# Altium PCB LG_TRACKER_PCB.PcbDoc (part 1 of 3) (continued)
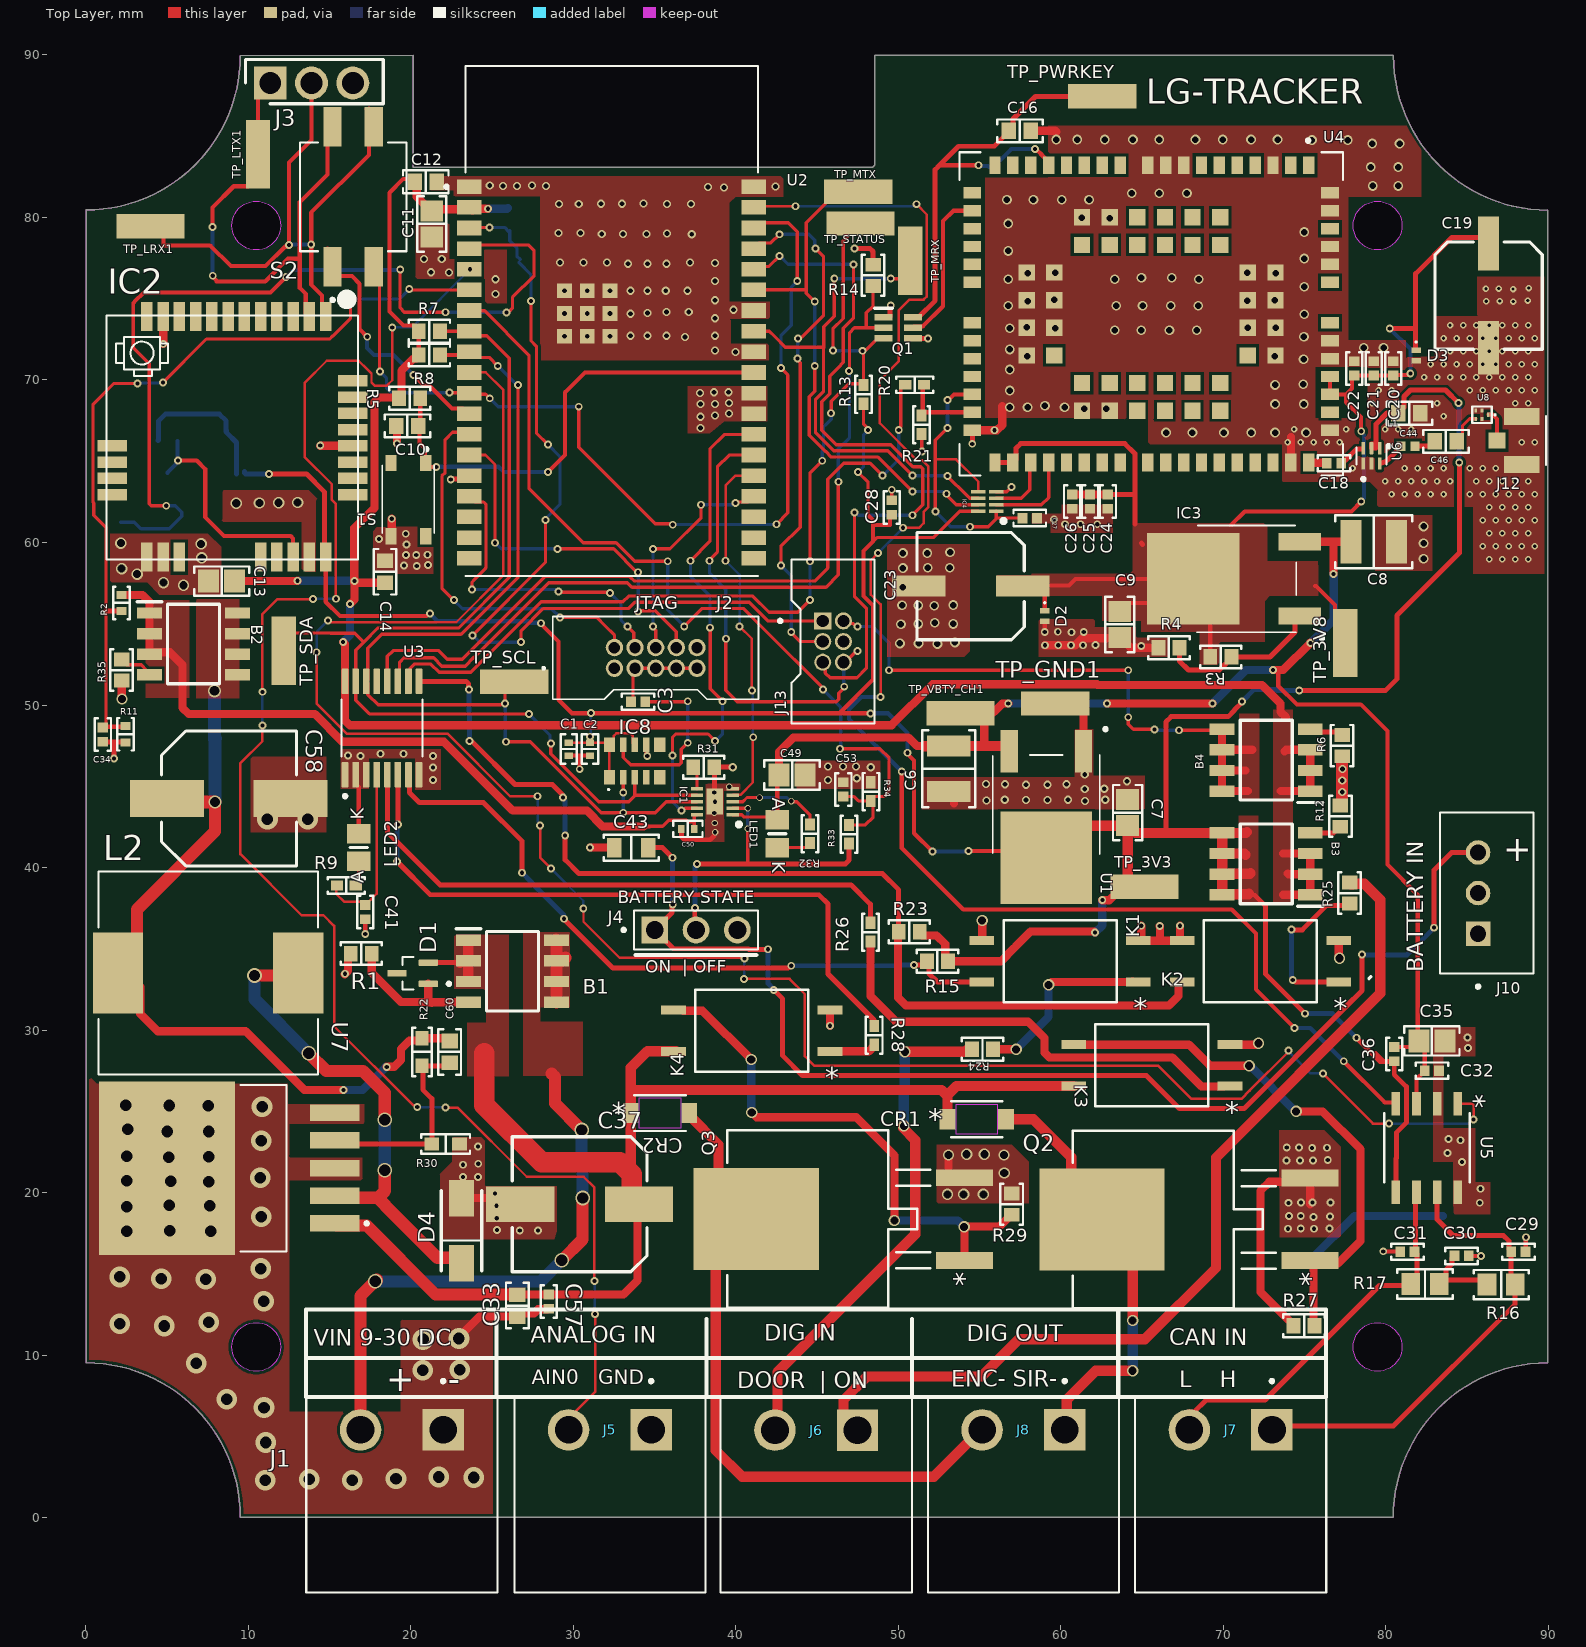
[diagram p0: Top Layer view]
## Components (designator, comment, footprint, x,y, rotation, side; value= is the part's Value field where it differs from the comment) (continued)
R13 "100 kOhms" "RES 0402_1005" 47.872,69.112 r270 top
R14 "10 kOhms" "RES 0603_1608" 48.455,76.44 r90 top
R15 "10 kOhms" "RES 0603_1608" 52.419,34.229 r0 top
R16 "63.4 Ohms" "RES 0805_2012" 87.106,14.337 r0 top
R17 "63.4 Ohms" "RES 0805_2012" 82.418,14.374 r0 top
R18 "10 kOhms" "RES 0603_1608" 5.008,66.255 r0 bottom
R19 "10 kOhms" "RES 0603_1608" 2.176,60.603 r270 bottom
R20 "100 kOhms" "RES 0402_1005" 51.013,69.706 r180 top
R21 "120 kOhms" "RES 0402_1005" 51.433,67.243 r90 top
R22 "4.7 kOhms" "YAGEO RES 0603_1608" 20.703,28.652 r90 top
R23 "10 kOhms" "RES 0603_1608" 50.682,36.045 r0 top
R24 "6.8 kOhms" "RES 0603_1608" 55.191,28.814 r0 top
R25 "6.8 kOhms" "RES 0603_1608" 77.778,38.43 r270 top
R26 "1 kOhms" "RES 0402_1005" 48.291,36.025 r270 top
R27 "10 kOhms" "RES 0603_1608" 74.978,11.801 r0 top
R28 "1 kOhms" "RES 0402_1005" 48.527,29.674 r270 top
R29 "10 kOhms" "RES 0603_1608" 56.984,19.284 r270 top
R30 "1.2 kOhms" "YAGEO RES 0603_1608" 22.156,22.975 r180 top
R31 "10 kOhms" "RES 0603_1608" 38.037,46.174 r180 top
R32 "2.2 kOhms" "RES 0402_1005" 44.571,42.08 r270 top
R33 "100 kOhms" "RES 0402_1005" 46.979,42.046 r90 top
R34 "100 kOhms" "RES 0402_1005" 48.317,44.672 r90 top
R35 "100 kOhms" "RES 0603_1608" 2.216,52.152 r270 top
S1 "PTS815_SJK_250_SMTR_LFS" PTS815SJK250SMTRLFS 19.866,62.642 r270 top
S2 "219-2MSTR" SW_219-2MSTR 16.466,81.273 r90 top
TP_3V3 "RCWCTE" RCWCTE 65.161,38.809 r180 top
TP_3V8 "RCWCTE" RCWCTE 77.519,53.82 r90 top
TP_GND1 "RCWCTE" RCWCTE 59.66,50.091 r180 top
TP_LRX1 "RCWCTE" RCWCTE 3.996,79.469 r180 top
TP_LTX1 "RCWCTE" RCWCTE 10.607,83.894 r90 top
TP_MRX "RCWCTE" RCWCTE 50.754,77.337 r270 top
TP_MTX "RCWCTE" RCWCTE 47.538,81.578 r180 top
TP_PWRKEY "RCWCTE" RCWCTE 62.563,87.447 r180 top
TP_SCL "RCWCTE" RCWCTE 26.372,51.434 r0 top
TP_SDA "RCWCTE" RCWCTE 12.202,53.346 r270 top
TP_STATUS "RCWCTE" RCWCTE 47.683,79.631 r180 top
TP_VBTY_CH1 "RCWCTE" RCWCTE 53.835,49.491 r180 top
U1 "AZ1084CD-3.3TRG1" TO252-3 59.119,43.877 r180 top
U2 "ESP32-WROVER-E-N16R8" ESP32-WROVER-E-N16R8 32.367,73.633 r0 top
U3 "TCA9534PWR" 16-TSSOP 18.243,48.584 r90 top
U4 "BG95M3LA-64-SGNS" BG95M3LA-64-SGNS 65.563,74.062 r270 top
U5 "TJA1051T/3/1J" SO8_SOT96-1_NXP 82.529,22.75 r270 top
U6 "MAX2659ELTT" SON50P150X100X80-6N 79.127,65.331 r90 top
U7 "LM2596DSADJG" CONV_LM2596DSADJG 8.837,21.503 r180 top
U8 "B39162B8813P810" FIL_B39162B9417K610 85.925,67.86 r180 top

## Footprints (in the part's own frame and the unit in brackets; to place one, negate y for a bottom-side part, rotate by r counter-clockwise, add the part's x,y. Pads: shape width x height; smd on the part's side, far side on the other; paste and mask are expansions set on the pad)
8-X2SON [mm] "TXS0102DQMR"
  rect 0.9x0.2 smd: 1(-0.55,0.6) 2(-0.55,0.2) 3(-0.55,-0.2) 4(-0.55,-0.6) 5(0.55,-0.6) 6(0.55,-0.2) 7(0.55,0.2) 8(0.55,0.6)
  silkscreen extent -1.13,1.08 -0.88,1.32, body extent -0.6,-0.9 0.6,0.9, height 0.5
16-TSSOP [mm] "TCA9534PWR"
  rrect25% 1.57x0.41 smd: 1(-2.87,2.275) 2(-2.87,1.625) 3(-2.87,0.975) 4(-2.87,0.325) 5(-2.87,-0.325) 6(-2.87,-0.975) 7(-2.87,-1.625) 8(-2.87,-2.275) 9(2.87,-2.275) 10(2.87,-1.625) 11(2.87,-0.975) 12(2.87,-0.325) 13(2.87,0.325) 14(2.87,0.975) 15(2.87,1.625) 16(2.87,2.275)
  silkscreen extent -4.29,-2.5 1.77,2.5
"0805 SMD - LED" [mm]
  rect 1.2x1.45 smd: A(-0.85,0) K(0.85,0)
  silkscreen extent 0,-0.53 0,0.53, body extent -1,-0.63 1,0.63, height 1.45
322010010000 [mm] "Connector Header Through Hole 10 position Shrouded 4 wall 0.050\" (1.27mm)"
  round 1.07 hole 0.7: 1(0,0) 2(0,1.27) 3(1.27,0) 4(1.27,1.27) 5(2.54,0) 6(2.54,1.27) 7(3.81,0) 8(3.81,1.27) 9(5.08,0) 10(5.08,1.27)
  silkscreen extent -4.4,-1.91 8.86,3.18, body extent -3.87,-1.99 8.95,3.25, height 5.63
AMPHENOL_68001-203HLF [mm]
  rect 1.65x1.65 / inner round 1.65 / far side rect 1.65x1.65 hole 1.1: 01(-2.54,0)
  round 1.65 hole 1.1: 02(0,0) 03(2.54,0)
  silkscreen extent -4.56,-1.2 3.81,1.2, body extent -3.81,-1.2 3.81,1.2, height 8.38
AMPHENOL_20021511-00006T4LF [mm]
  rect 1.05x1.05 / inner round 1.05 / far side rect 1.05x1.05 hole 0.75: 1(-1.27,-0.635)
  round 1.05 hole 0.75: 2(-1.27,0.635) 3(0,-0.635) 4(0,0.635) 5(1.27,-0.635) 6(1.27,0.635)
  silkscreen extent -5.05,-3.35 5.05,2.55, body extent -5.05,-2.55 5.05,2.55, height 5.4
APC-817xx-SL_AMB [mil]
  rect 60x22 smd paste+0 mask+0: 1(-189.5,50) 2(-189.5,-50) 3(189.5,-50) 4(189.5,50)
  silkscreen extent -137,-99 137,99, body extent -206,-94 206,94, height 150
BG95M3LA-64-SGNS [mm] "Modem"
  rect 1.1x0.7 smd paste-2: 1(-9.15,9.7) 2(-9.15,8.6) 3(-9.15,7.5) 4(-9.15,6.4) 5(-9.15,5.3) 6(-9.15,4.2) 7(-9.15,3.1) 8(-9.15,2) 9(-9.15,0.9) 10(-9.15,-0.2) 11(-9.15,-1.9) 12(-9.15,-3) 13(-9.15,-4.1) 14(-9.15,-5.2) 15(-9.15,-6.3) 16(-9.15,-7.4) 17(-9.15,-8.5) 18(-9.15,-9.6) 32(9.15,-9.6) 33(9.15,-8.5) 34(9.15,-7.4) 35(9.15,-6.3) 36(9.15,-5.2) 37(9.15,-4.1) 38(9.15,-3) 39(9.15,-1.9) 40(9.15,-0.2) 41(9.15,0.9) 42(9.15,2) 43(9.15,3.1) 44(9.15,4.2) 45(9.15,5.3) 46(9.15,6.4) 47(9.15,7.5) 48(9.15,8.6) 49(9.15,9.7)
  rect 0.7x1.1 smd paste-2: 19(-7.45,-11) 20(-6.35,-11) 21(-5.25,-11) 22(-4.15,-11) 23(-3.05,-11) 24(-1.95,-11) 25(0.55,-11) 26(1.65,-11) 27(2.75,-11) 28(3.85,-11) 29(4.95,-11) 30(6.05,-11) 31(7.15,-11) 50(7.15,11) 51(6.05,11) 52(4.95,11) 53(3.85,11) 54(2.75,11) 55(1.65,11) 56(0.55,11) 57(-1.95,11) 58(-3.05,11) 59(-4.15,11) 60(-5.25,11) 61(-6.35,11) 62(-7.45,11)
  rect 1x1 smd paste-1: 63(-5.95,4.25) 64(-5.95,2.55) 65(-5.95,0.85) 66(-5.95,-0.85) 67(-5.95,-2.55) 68(-5.95,-4.25) 69(-2.55,-7.65) 70(-0.85,-7.65) 71(0.85,-7.65) 72(2.55,-7.65) 73(5.95,-4.25) 74(5.95,-2.55) 75(5.95,-0.85) 76(5.95,0.85) 77(5.95,2.55) 78(5.95,4.25) 79(2.55,7.65) 80(0.85,7.65) 81(-0.85,7.65) 82(-2.55,7.65) 83(-4.25,4.25) 84(-4.25,2.55) 85(-4.25,0.85) 86(-4.25,-0.85) 87(-4.25,-2.55) 88(-4.25,-4.25) 89(-2.55,-5.95) 90(-0.85,-5.95) 91(0.85,-5.95) 92(2.55,-5.95) 93(4.25,-4.25) 94(4.25,-2.55) 95(4.25,-0.85) 96(4.25,0.85) 97(4.25,2.55) 98(4.25,4.25) 99(2.55,5.95) 100(0.85,5.95) 101(-0.85,5.95) 102(-2.55,5.95)
  silkscreen extent -10.77,-11.8 9.95,11.8, body extent -8,-9.35 8,9.35
"CAP 0402_1005" [mm] "Chip Capacitor, 2-Leads, Body 1.02x0.51mm, IPC Medium Density"
  rect 0.6x0.64 smd: 1(-0.44,0) 2(0.44,0)
  silkscreen extent -1,-0.5 1,0.5, body extent -0.5,-0.26 0.5,0.26, height 0.52
"CAP 0603_1608" [mm] "Chip Capacitor, 2-Leads, Body 1.60x0.80mm, IPC Medium Density"
  rect 0.9x1 smd: 1(-0.675,0) 2(0.675,0)
  silkscreen extent -1.4,-0.7 1.4,0.7, body extent -0.8,-0.41 0.8,0.41, height 0.82
"CAP 0805_2012" [mm] "Chip Capacitor, 2-Leads, Body 2.00x1.20mm, IPC Medium Density"
  rect 1.3x1.4 smd: 1(-0.8,0) 2(0.8,0)
  silkscreen extent -1.7,-0.9 1.7,0.9, body extent -1,-0.64 1,0.64, height 1.26
"CAP 1210_3225 - 1MM" [mm] "Chip Capacitor, 2-Leads, Body 3.20x2.50mm, IPC Medium Density"
  rect 1.3x2.7 smd: 1(-1.4,0) 2(1.4,0)
  silkscreen extent -2.37,-1.63 2.37,1.63, body extent -1.6,-1.25 1.6,1.25, height 1
"CAP ALSMD 8.3MM H10.5MM" [mm] "Aluminum Electrolytic Capacitor, Body 8.30x8.30x10.50mm, IPC Low Density"
  rect 4.55x2.3 smd: 1(-3.8,0) 2(3.8,0)
  silkscreen extent -4.15,-4.15 4.15,4.15, body extent -4.95,-4.15 4.95,4.15, height 10.5
"CAP ALSMD ELEC 6.6MM H5.4MM" [mm] "Aluminum SMD Electrolytic Capacitor, 6.60mm Land Size, 6.30mm Diameter, 5.40mm Height, 8.00mm Maximum Leads Span"
  rect 3.3x1.3 smd: 1(-3.2,0) 2(3.2,0)
  silkscreen extent -3.3,-3.3 3.3,3.3, body extent -4,-3.3 4,3.3, height 5.4
"CAP ALSMD POLY 8.3MM H10.5MM" [mm] "Aluminum Electrolytic Capacitor, Body 8.30x8.30x10.5mm"
  rect 4.2x2.2 smd: 1(-3.65,0) 2(3.65,0)
  silkscreen extent -4.15,-4.15 4.15,4.15, body extent -4.5,-4.15 4.5,4.15, height 10.5
CONV_LM2596DSADJG [mm]
  rect 3.05x1.016 smd: 1(-6.485,3.404) 2(-6.485,1.702) 3(-6.485,0) 4(-6.485,-1.702) 5(-6.485,-3.404)
  rect 8.38x10.66 smd paste-6: 6(3.82,0)
  silkscreen extent -8.56,-5.12 -0.69,5.12, body extent -7.1,-5.07 7.1,5.07, height 4.57
CR_SOD-123FL_SME [mil]
  rect 38x49 smd paste+0 mask+0: 1(-71,0) 2(71,0)
  Keep-Out Layer region: -50,-36.5 -50,36.5 50,36.5 50,-36.5
  silkscreen extent -62,-44 62,44, body extent -76,-39 76,39, height 55
CUI_TBP01R1-508-02BE [mm]
  rect 2.55x2.55 / inner round 2.55 / far side rect 2.55x2.55 hole 1.7: 1(0,0)
  round 2.55 hole 1.7: 2(5.08,0)
  silkscreen extent -3.34,-3.1 8.42,10, body extent -3.3,-2.06 8.46,9.94, height 8.5
DIOM5025X220N [mm]
  rect 2.25x1.55 smd: 1(-2,0) 2(2,0)
  silkscreen extent -2.47,-1.25 2.47,1.25, body extent -2.47,-1.25 2.47,1.25, height 2.2
ESP32-WROVER-E-N16R8 [mm]
  rect 1.5x0.9 smd: 1(-8.75,8.26) 2(-8.75,6.99) 3(-8.75,5.72) 4(-8.75,4.45) 5(-8.75,3.18) 6(-8.75,1.91) 7(-8.75,0.64) 8(-8.75,-0.63) 9(-8.75,-1.9) 10(-8.75,-3.17) 11(-8.75,-4.44) 12(-8.75,-5.71) 13(-8.75,-6.98) 14(-8.75,-8.25) 15(-8.75,-9.52) 16(-8.75,-10.79) 17(-8.75,-12.06) 18(-8.75,-13.33) 19(-8.75,-14.6) 20(8.75,-14.6) 21(8.75,-13.33) 22(8.75,-12.06) 23(8.75,-10.79) 24(8.75,-9.52) 25(8.75,-8.25) 26(8.75,-6.98) 27(8.75,-5.71) 28(8.75,-4.44) 29(8.75,-3.17) 30(8.75,-1.9) 31(8.75,-0.63) 32(8.75,0.64) 33(8.75,1.91) 34(8.75,3.18) 35(8.75,4.45) 36(8.75,5.72) 37(8.75,6.99) 38(8.75,8.26)
  rect 0.9x0.9 smd: 39_1(-2.9,1.86) 39_2(-1.5,1.86) 39_3(-0.1,1.86) 39_4(-2.9,0.46) 39_5(-1.5,0.46) 39_6(-0.1,0.46) 39_7(-2.9,-0.94) 39_8(-1.5,-0.94) 39_9(-0.1,-0.94)
  silkscreen extent -10.26,-15.7 9,15.7
FIL_B39162B9417K610 [mm]
  rect 0.18x0.25 smd: 1(-0.385,0) 2(0,-0.25) 3(0.385,-0.25) 4(0.385,0.25) 5(0,0.25)
  silkscreen extent -0.85,-0.5 0.6,0.5
IND_SRP1265A-470M [mm]
  rect 3.1x5 smd: 1(-5.55,0) 2(5.55,0)
  silkscreen extent -6.75,-6.25 6.75,6.25, body extent -6.75,-6.25 6.75,6.25, height 6.5
INDC1005X55N [mm]
  rect 0.54x0.6 smd: 1(-0.432,0) 2(0.432,0)
  silkscreen extent 1.1,-0.1 1.3,0.1
JST_B3B-XH-A [mm]
  rect 1.508x1.508 / inner round 1.508 / far side rect 1.508x1.508 hole 1: 1(2.5,-0.525)
  round 1.508 hole 1: 2(0,-0.525) 3(-2.5,-0.525)
  silkscreen extent -4.95,-2.88 5.85,2.88, body extent -4.95,-2.88 4.95,2.88, height 7
"MURATA GRM155 0402_1005" [mm] "Chip Capacitor, 2-Leads, Body 1.0x0.50mm"
  rect 0.4x0.5 smd: 1(-0.4,0) 2(0.4,0)
  silkscreen extent -0.9,-0.5 0.9,0.5, body extent -0.52,-0.27 0.53,0.28, height 0.55
NMOSGSD_D2PAK_IRL540NSTRLPBF_INF [mil]
  rect 41x138 smd paste+0 mask+0: 1(-100,-380) 2(100,-380)
  rect 247x303 smd paste+0 mask+0: 3(0,124.5)
  silkscreen extent -215,-297 215,195
PPPC031LFBN-RC [mm] "Pin header 3 pos, 2.54 mm paso"
  rect 2.025x2.025 hole 1.35: 1(0,0)
  round 2.025 hole 1.35: 2(2.54,0) 3(5.08,0)
  silkscreen extent -1.52,-1.27 6.95,1.46, body extent -1.52,-1.27 6.6,1.27, height 8.5
PTS815SJK250SMTRLFS [mm] "Switch"
  rect 1x0.7 smd: 1(-2.25,1.075) 2(2.25,1.075) 3(-2.25,-1.075) 4(2.25,-1.075)
  silkscreen extent -3.2,-1.6 2.07,1.6, body extent -2.3,-1.6 2.3,1.6, height 2.5
RAK3172-9-SM-I [mm] "LoRaWAN module"
  rect 0.7x1.8 smd: 1(13.5,14.945) 2(12.5,14.945) 3(11.5,14.945) 4(10.5,14.945) 5(9.5,14.945) 6(8.5,14.945) 7(7.5,14.945) 8(6.5,14.945) 9(5.5,14.945) 10(4.5,14.945) 11(3.5,14.945) 12(2.5,14.945) 17(2.5,0.145) 18(3.5,0.145) 19(4.5,0.145) 20(9.5,0.145) 21(10.5,0.145) 22(11.5,0.145) 23(12.5,0.145) 24(13.5,0.145)
  rect 1.8x0.7 smd: 13(0.365,6.99) 14(0.365,5.99) 15(0.365,4.99) 16(0.365,3.99) 25(15.165,3.99) 26(15.165,4.99) 27(15.165,5.99) 28(15.165,6.99) 29(15.165,7.99) 30(15.165,8.99) 31(15.165,9.99) 32(15.165,10.99)
  silkscreen extent 0,0 15.5,16.1, body extent 0.05,-0.1 15.55,14.9, height 3.5
RCWCTE [mm] "Test point"
  rect 4.2x1.5 smd: 1(0,0)
  body extent -1.6,-0.8 1.6,0.8, height 2.01
"RES 0402_1005" [mm] "Chip Resistor, 2-Leads, Body 1.0x0.5mm, IPC Medium Density"
  rect 0.75x0.6 smd: 1(-0.575,0) 2(0.575,0)
  silkscreen extent -1.14,-0.51 1.14,0.51, body extent -0.5,-0.25 0.5,0.25, height 0.35
"RES 0603_1608" [mm] "Chip Resistor, 2-Leads, Body 1.60x0.80mm, IPC Medium Density"
  rect 0.85x0.95 smd: 1(-0.65,0) 2(0.65,0)
  silkscreen extent -1.27,-0.7 1.27,0.7, body extent -0.8,-0.4 0.8,0.4, height 0.45
"RES 0805_2012" [mm] "Chip Resistor, 2-Leads, Body 2.00x1.25mm, IPC Medium Density"
  rect 1.15x1.35 smd: 1(-0.875,0) 2(0.875,0)
  silkscreen extent -1.7,-0.9 1.7,0.9, body extent -1,-0.62 1,0.63, height 0.6
RX8130CE [mm] "RTC RX8130CE"
  rect 0.7x0.9 smd: 1(-1.55,-1) 5(1.55,-1) 6(1.55,1) 10(-1.55,1)
  rect 0.4x0.9 smd: 2(-0.7,-1) 3(0,-1) 4(0.7,-1) 7(0.7,1) 8(0,1) 9(-0.7,1)
  silkscreen extent -1.65,-1.8 -1.55,-1.7, body extent -1.6,-1.25 1.6,1.25, height 1.1
SO8_SOT96-1_NXP [mm]
  rect 1.455x0.533 smd paste+0 mask+0: 1(-2.721,1.905) 2(-2.721,0.635) 3(-2.721,-0.635) 4(-2.721,-1.905) 5(2.721,-1.905) 6(2.721,-0.635) 7(2.721,0.635) 8(2.721,1.905)
  silkscreen extent -2.12,-2.63 2.12,2.63, body extent -3.1,-2.5 3.1,2.5, height 1.76
SOD-882 [mm] "AQ1250-01ETG"
  rect 0.35x0.6 smd: 1(-0.325,0) 2(0.325,0)
  silkscreen extent -0.87,-0.05 -0.77,0.05, body extent -0.53,-0.33 0.53,0.33, height 0.43
SOIC127P600X175-8N [mm]
  rect 1.525x0.7 smd: 1(-2.712,1.905) 2(-2.712,0.635) 3(-2.712,-0.635) 4(-2.712,-1.905) 5(2.712,-1.905) 6(2.712,-0.635) 7(2.712,0.635) 8(2.712,1.905)
  silkscreen extent -3.47,-2.45 1.6,2.61
SON40P220X200X80-11N [mm] "BQ25186"
  rect 0.75x0.2 smd: 1(-1.1,0.8) 2(-1.1,0.4) 3(-1.1,0) 4(-1.1,-0.4) 5(-1.1,-0.8) 6(1.1,-0.8) 7(1.1,-0.4) 8(1.1,0) 9(1.1,0.4) 10(1.1,0.8)
  rect 1x1.6 smd: 11(0,0)
  silkscreen extent -1.6,1.28 -1.35,1.52, body extent -1.15,-1 1.15,1, height 0.8
SON50P150X100X80-6N [mm]
  rrect25% 0.76x0.22 smd: 1(-0.47,0.5) 2(-0.47,0) 3(-0.47,-0.5) 4(0.47,-0.5) 5(0.47,0) 6(0.47,0.5)
  silkscreen extent -1.53,-0.93 0.53,0.93, body extent -0.5,-0.75 0.5,0.75, height 0.8
SOT23 [mm]
  rect 1x1.4 smd: 1(-0.95,-1.1) 2(0.95,-1.1) 3(0,1.1)
  silkscreen extent -1.42,-0.15 1.42,0.66, body extent -1.3,-1.53 1.3,1.51, height 1.3
SOT65P210X110-3N [mm]
  rrect25% 1.19x0.4 smd paste+0 mask+0.102: 1(-0.96,0.65) 2(-0.96,-0.65) 3(0.96,0)
  silkscreen extent -2.33,-1 0.63,1
SOT-363 [mm] "UM6K34NTCN"
  rect 1.1x0.4 smd: 1(-0.9,0.65) 2(-0.9,0) 3(-0.9,-0.65) 4(0.9,-0.65) 5(0.9,0) 6(0.9,0.65)
  silkscreen extent -1.45,1.2 -0.35,1.2, body extent -1.05,-1 1.05,1, height 1
SW_219-2MSTR [mm]
  rect 2.44x1.13 smd: 1A(-4.3,1.27) 1B(4.3,1.27) 2A(-4.3,-1.27) 2B(4.3,-1.27)
  silkscreen extent -6.45,-3.27 3.35,3.27, body extent -4.96,-3.28 4.96,3.27, height 4.58
TE_1909763-1 [mm]
  rect 1x1.05 smd: 1(0,-1.525)
  rect 1.05x2.2 smd: 2(-1.475,0) 3(1.475,0)
  silkscreen extent -1.5,1.5 1.5,1.5, body extent -1.5,0 1.5,1.23, height 1.55
TO252-3 [mm] "AZ2185D-ADJTRG1"
  rect 1.06x2.6 smd: 1(-2.286,-3.275) 3(2.286,-3.275)
  rect 5.632x5.7 smd: 2(0,3.275)
  silkscreen extent -3.74,-4.74 3.29,3.05, body extent -3.29,-3.05 3.29,3.05, height 2.49
"YAGEO RES 0402_1005" [mm] "Chip Resistor, 2-Leads, Body 1.0x0.5mm"
  rect 0.5x0.6 smd: 1(-0.5,0) 2(0.5,0)
  silkscreen extent -1,-0.51 1,0.51, body extent -0.5,-0.25 0.5,0.25, height 0.35
"YAGEO RES 0603_1608" [mm] "Chip Resistor, 2-Leads, Body 1.60x0.80mm"
  rect 0.9x0.8 smd: 1(-0.85,0) 2(0.85,0)
  silkscreen extent -1.5,-0.6 1.5,0.6, body extent -0.8,-0.4 0.8,0.4, height 0.45
"YAGEO RES 0805_2012" [mm] "Chip Resistor, 2-Leads, Body 2.00x1.25mm"
  rect 0.9x1.2 smd: 1(-1.05,0) 2(1.05,0)
  silkscreen extent -1.7,-0.8 1.7,0.8, body extent -1,-0.62 1,0.63, height 0.6

## Part data
B1 B2 B3 B4: "Max rDS(on) = 14.8m at VGS = -4.5V, ID = -11A; HBM ESD protection level of 6kV typical (note 3); High power and current handing capability; Extended VGS range (-25V) for battery applications; High performance trench technology for extremely lowrDS(on); High power and current handing capability; Max rDS(on) = 9.3mat VGS = -10V, ID = -13A", Manufacturer_Name=onsemi, Mouser Part Number=512-FDS6679AZ, Datasheet Link=https://www.onsemi.com/pub/Collateral/FDS6679AZ-D.PDF, Geometry.Height=1.75mm, Manufacturer_Part_Number=FDS6679AZ, Mouser Price/Stock=https://www.mouser.co.uk/ProductDetail/onsemi-Fairchild/FDS6679AZ?qs=vnwGVgFuQiZlXnM8io%2FtYg%3D%3D
  B2: componentlink1description="New link", componentlink1url=https://ar.mouser.com/ProductDetail/onsemi-Fairchild/FDS6679AZ?qs=vnwGVgFuQiZlXnM8io%2FtYg%3D%3D, componentlink2description="New link", componentlink2url=https://www.digikey.com/en/products/detail/umw/FDS6679AZ/24889652
C1 C2 C20 C24 C27 C28 C39: library part GRM155R71H104KE14D, "CAP CER 0.1UF 50V X7R 0402", Device Package="0402 (1005 Metric)", manufacturer="Murata Electronics", Operating Temperature="-55°C ~ 125°C", Supplier Part Number 1=490-10700-1-ND, Temperature Coefficient=X7R, Tolerance=±10%, Voltage - Rated=50V, Applications="General Purpose", Capacitance="0.1 µF", componentlink1description=Datasheet, componentlink1url=https://search.murata.co.jp/Ceramy/image/img/A01X/G101/ENG/GRM155R71H104KE14-01.pdf, componentlink2description="DigiKey Link", componentlink2url=https://www.digikey.com/en/products/detail/murata-electronics/GRM155R71H104KE14D/4906220, Lifecycle Status=Active, Minimum Order=1, Mounting Type="Surface Mount, MLCC", Package / Case="0402 (1005 Metric)", Part Number=GRM155R71H104KE14D, Part Status=Active, partid=12677, Price=0.01, series=GRM, Size / Dimension="0.039\" L x 0.020\" W (1.00mm x 0.50mm)", Supplier 1=DigiKey, Thickness (Max)="0.022\" (0.55mm)"
  C1 C2 C39: lastupdated="8/27/2024 12:42:53 PM", packaging=TapeAndReel
  C20 C24 C27 C28: lastupdated="10/30/2023 7:04:06 PM", packaging=CutTape
C3: library part CL05A105KO5NNNC, "CAP CER 1UF 16V X5R 0402", Device Package="0402 (1005 Metric)", manufacturer="Samsung Electro-Mechanics", Operating Temperature="-55°C ~ 85°C", Supplier Part Number 1=1276-1067-1-ND, Temperature Coefficient=X5R, Tolerance=±10%, Voltage - Rated=16V, Applications="General Purpose", Capacitance="1 µF", componentlink1description=Datasheet, componentlink1url=http://www.samsungsem.com/kr/support/product-search/mlcc/CL05A105KO5NNNC.jsp, componentlink2description="DigiKey Link", componentlink2url=https://www.digikey.com/en/products/detail/samsung-electro-mechanics/CL05A105KO5NNNC/3886725, lastupdated="2/9/2024 8:04:35 PM", Lifecycle Status=Active, Minimum Order=1, Mounting Type="Surface Mount, MLCC", Package / Case="0402 (1005 Metric)", packaging=TapeAndReel, Part Number=CL05A105KO5NNNC, Part Status=Active, partid=3120, Price=0.01, series=CL, Size / Dimension="0.039\" L x 0.020\" W (1.00mm x 0.50mm)", Supplier 1=DigiKey, Thickness (Max)="0.022\" (0.55mm)"
C6 C8: library part C3225X7R1N106K250AC, "CAP CER 10UF 75V X7R 1210", Device Package="1210 (3225 Metric)", manufacturer="TDK Corporation", Operating Temperature="-55°C ~ 125°C", Supplier Part Number 1=445-C3225X7R1N106K250ACCT-ND, Temperature Coefficient=X7R, Tolerance=±10%, Voltage - Rated=75V, Applications="General Purpose", Capacitance="10 µF", componentlink1description=Datasheet, componentlink1url=https://product.tdk.com/info/en/catalog/datasheets/mlcc_commercial_general_en.pdf?ref_disty=digikey, componentlink2description="DigiKey Link", componentlink2url=https://www.digikey.com/en/products/detail/tdk-corporation/C3225X7R1N106K250AC/10413502, Features="Low ESL", lastupdated="10/29/2023 7:38:56 PM", Lifecycle Status=Active, Minimum Order=1, Mounting Type="Surface Mount, MLCC", Package / Case="1210 (3225 Metric)", packaging=TapeAndReel, partid=45109, Part Number=C3225X7R1N106K250AC, Part Status=Active, Price=0.29, series=C, Size / Dimension="0.126\" L x 0.098\" W (3.20mm x 2.50mm)", Supplier 1=DigiKey, Thickness (Max)="0.110\" (2.80mm)"
C7 C9 C11 C13 C35: library part CL21A226MOCLRNC, "CAP CER 22UF 16V X5R 0805", Device Package="0805 (2012 Metric)", manufacturer="Samsung Electro-Mechanics", Operating Temperature="-55°C ~ 85°C", Supplier Part Number 1=1276-6780-1-ND, Temperature Coefficient=X5R, Tolerance=±20%, Voltage - Rated=16V, Applications="General Purpose", Capacitance="22 µF", componentlink1description=Datasheet, componentlink1url=http://www.samsungsem.com/kr/support/product-search/mlcc/CL21A226MOCLRNC.jsp, componentlink2description="DigiKey Link", componentlink2url=https://www.digikey.com/en/products/detail/samsung-electro-mechanics/CL21A226MOCLRNC/5961264, Features="Low Profile", lastupdated="10/30/2023 7:14:19 PM", Lifecycle Status=Active, Minimum Order=1, Mounting Type="Surface Mount, MLCC", Package / Case="0805 (2012 Metric)", packaging=TapeAndReel, partid=4767, Part Number=CL21A226MOCLRNC, Part Status=Active, Price=0.05, series=CL, Size / Dimension="0.079\" L x 0.049\" W (2.00mm x 1.25mm)", Supplier 1=DigiKey, Thickness (Max)="0.037\" (0.95mm)"
C10 C12 C14 C15 C16: library part 885012206118, "CAP CER 0.047UF 100V X7R 0603", Device Package="0603 (1608 Metric)", manufacturer="Würth Elektronik", Operating Temperature="-55°C ~ 125°C", Supplier Part Number 1=732-12192-1-ND, Temperature Coefficient=X7R, Tolerance=±10%, Voltage - Rated=100V, Applications="General Purpose", Capacitance="0.047 µF", componentlink1description=Datasheet, componentlink1url=https://katalog.we-online.de/pbs/datasheet/885012206118.pdf, componentlink2description="DigiKey Link", componentlink2url=https://www.digikey.com/en/products/detail/würth-elektronik/885012206118/9346004, lastupdated="10/29/2023 7:09:06 PM", Lifecycle Status=Active, Minimum Order=1, Mounting Type="Surface Mount, MLCC", Package / Case="0603 (1608 Metric)", packaging=TapeAndReel, partid=11891, Part Number=885012206118, Part Status=Active, Price=0.06, series=WCAP-CSGP, Size / Dimension="0.063\" L x 0.031\" W (1.60mm x 0.80mm)", Supplier 1=DigiKey, Thickness (Max)="0.037\" (0.95mm)"
C18: library part CC0402FRNPO9BN101, "CAP CER 100PF 50V C0G/NPO 0402", Device Package="0402 (1005 Metric)", manufacturer=Yageo, Operating Temperature="-55°C ~ 125°C", Supplier Part Number 1=311-3329-1-ND, Temperature Coefficient="C0G, NP0", Tolerance=±1%, Voltage - Rated=50V, Applications="General Purpose", Capacitance="100 pF", componentlink1description=Datasheet, componentlink1url=https://www.yageo.com/upload/media/product/productsearch/datasheet/mlcc/UPY-GP_NP0_16V-to-50V_17.pdf, componentlink2description="DigiKey Link", componentlink2url=https://www.digikey.com/en/products/detail/yageo/CC0402FRNPO9BN101/5021207, lastupdated="11/1/2023 7:04:19 PM", Lifecycle Status=Active, Minimum Order=1, Mounting Type="Surface Mount, MLCC", Package / Case="0402 (1005 Metric)", packaging=TapeAndReel, partid=8397, Part Number=CC0402FRNPO9BN101, Part Status=Active, Price=0.01, series=CC, Size / Dimension="0.039\" L x 0.020\" W (1.00mm x 0.50mm)", Supplier 1=DigiKey, Thickness (Max)="0.022\" (0.55mm)"
C19 C23: library part 865080343009, "CAP ALUM 100UF 20% 16V SMD", Device Package="Radial, Can - SMD", Lifetime @ Temp.="2000 Hrs @ 105°C", manufacturer="Würth Elektronik", Operating Temperature="-55°C ~ 105°C", Ripple Current @ High Frequency="255 mA @ 100 kHz", Ripple Current @ Low Frequency="165.75 mA @ 120 Hz", Supplier Part Number 1=732-8419-1-ND, Tolerance=±20%, Voltage - Rated="16 V", Applications="General Purpose", Capacitance="100 µF", componentlink1description=Datasheet, componentlink1url=https://katalog.we-online.de/pbs/datasheet/865080343009.pdf, componentlink2description="DigiKey Link", componentlink2url=https://www.digikey.com/en/products/detail/würth-elektronik/865080343009/5728014, Height - Seated (Max)="0.217\" (5.50mm)", Impedance="520 mOhms", lastupdated="10/31/2023 8:16:49 PM", Lifecycle Status=Active, Minimum Order=1, Mounting Type="Surface Mount", Package / Case="Radial, Can - SMD", packaging=TapeAndReel, partid=8820, Part Number=865080343009, Part Status=Active, Polarization=Polar, Price=0.16, series=WCAP-ASLI, Size / Dimension="0.248\" Dia (6.30mm)", Supplier 1=DigiKey, Surface Mount Land Size="0.260\" L x 0.260\" W (6.60mm x 6.60mm)"
C21 C25: library part CC0402GRNPO9BN330, "CAP CER 33PF 50V C0G/NPO 0402", Device Package="0402 (1005 Metric)", manufacturer=Yageo, Operating Temperature="-55°C ~ 125°C", Supplier Part Number 1=311-1654-1-ND, Temperature Coefficient="C0G, NP0", Tolerance=±2%, Voltage - Rated=50V, Applications="General Purpose", Capacitance="33 pF", componentlink1description=Datasheet, componentlink1url=https://www.yageo.com/upload/media/product/productsearch/datasheet/mlcc/UPY-GP_NP0_16V-to-50V_17.pdf, componentlink2description="DigiKey Link", componentlink2url=https://www.digikey.com/en/products/detail/yageo/CC0402GRNPO9BN330/5195063, lastupdated="11/1/2023 7:04:30 PM", Lifecycle Status=Active, Minimum Order=1, Mounting Type="Surface Mount, MLCC", Package / Case="0402 (1005 Metric)", packaging=TapeAndReel, partid=1910, Part Number=CC0402GRNPO9BN330, Part Status=Active, Price=0.01, series=CC, Size / Dimension="0.039\" L x 0.020\" W (1.00mm x 0.50mm)", Supplier 1=DigiKey, Thickness (Max)="0.022\" (0.55mm)"
C22 C26: library part CC0402DRNPO9BN100, "CAP CER 10PF 50V C0G/NPO 0402", Device Package="0402 (1005 Metric)", manufacturer=Yageo, Operating Temperature="-55°C ~ 125°C", Supplier Part Number 1=311-3651-1-ND, Temperature Coefficient="C0G, NP0", Tolerance=±0.5pF, Voltage - Rated=50V, Applications="General Purpose", Capacitance="10 pF", componentlink1description=Datasheet, componentlink1url=https://www.yageo.com/upload/media/product/productsearch/datasheet/mlcc/UPY-GP_NP0_16V-to-50V_17.pdf, componentlink2description="DigiKey Link", componentlink2url=https://www.digikey.com/en/products/detail/yageo/CC0402DRNPO9BN100/2297890, lastupdated="11/1/2023 7:04:26 PM", Lifecycle Status=Active, Minimum Order=1, Mounting Type="Surface Mount, MLCC", Package / Case="0402 (1005 Metric)", packaging=CutTape, partid=3899, Part Number=CC0402DRNPO9BN100, Part Status=Active, Price=0.01, series=CC, Size / Dimension="0.039\" L x 0.020\" W (1.00mm x 0.50mm)", Supplier 1=DigiKey, Thickness (Max)="0.022\" (0.55mm)"